# KiCad board oresat-live-card.kicad_pcb (continued)
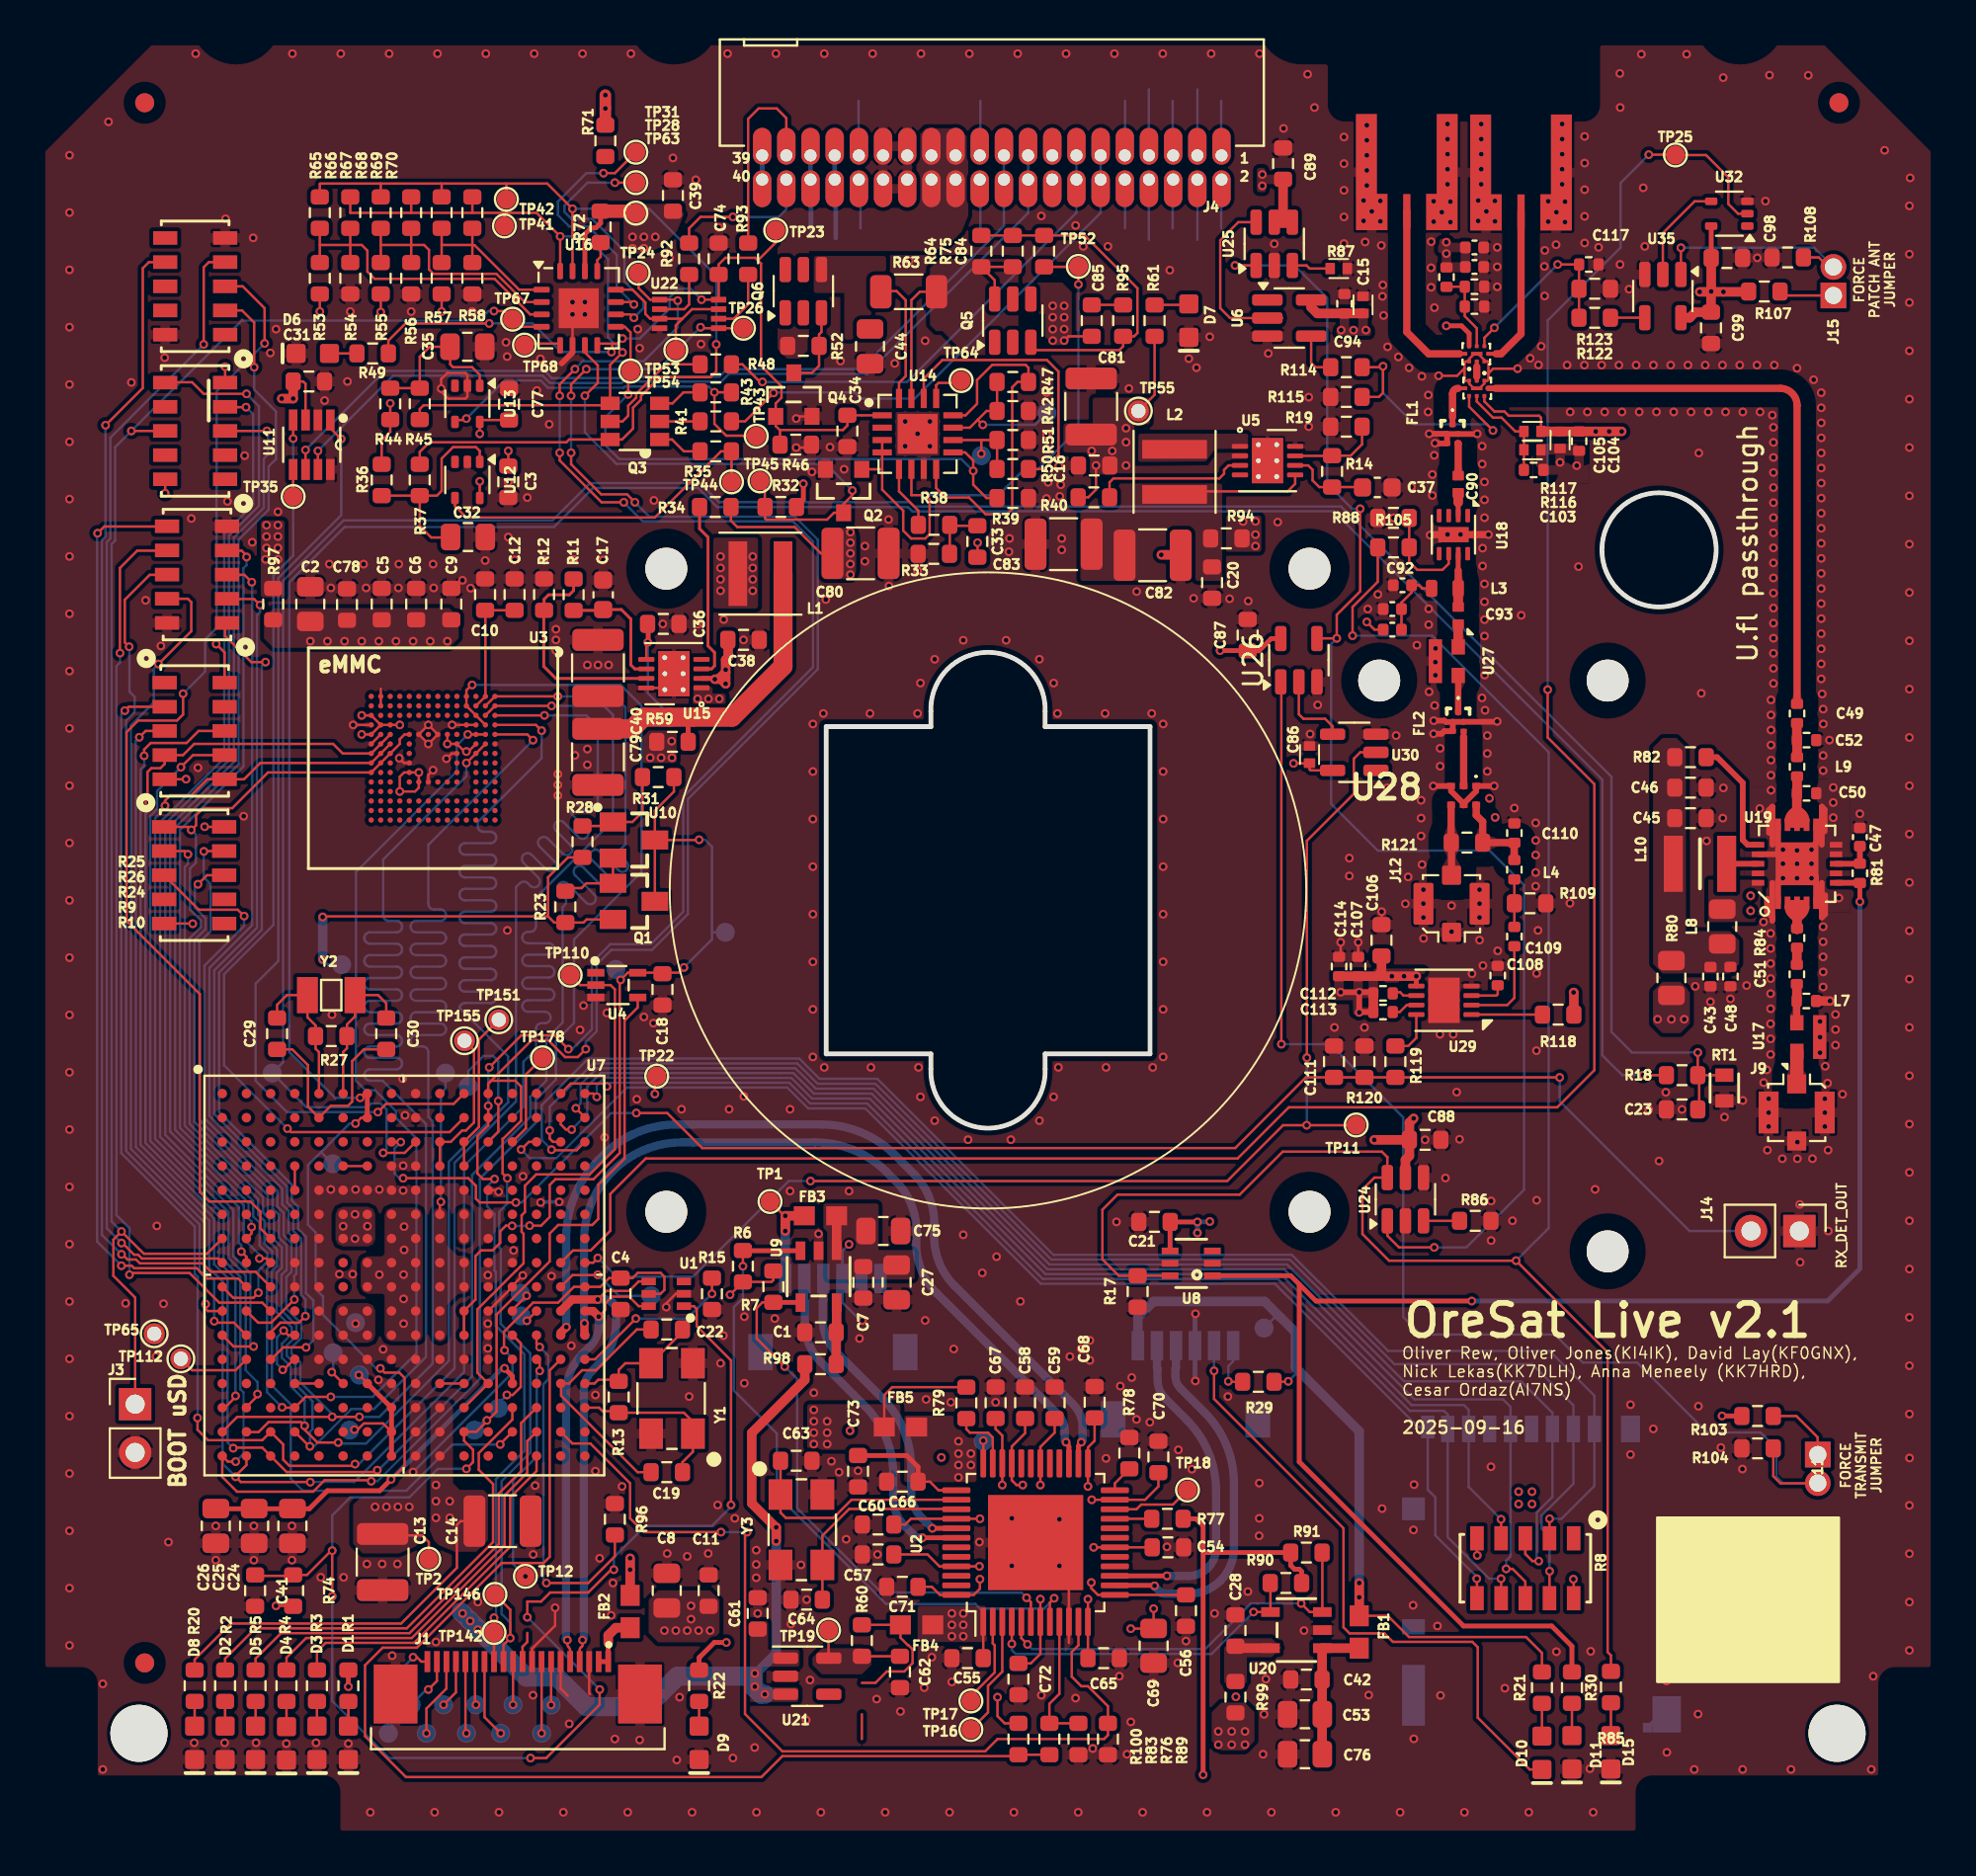
[diagram p0: board, top side]
## Copper pours and planes (outline as drawn; the poured copper is in the pictures) (continued)
+5V on Top, In2.Cu: 21.8,22.75 21.8,18.65 22.16,18.29 23.9,18.29 23.9,15.04 21.39,15.04 20.45,15.99 20.45,22.75 20.69,22.99 21.56,22.99
+5V on In2.Cu: 63.88,7.05 63.88,4.59 61.59,4.59 61.59,7.05 37.07,7.05 37.07,9.95 63.88,9.95
+5V on In2.Cu: 40.7,58.43 40.7,45.2 35.5,39.4 28.22,39.44 25.42,39.45 25.45,16.42 20.64,16.43 20.56,58.41
GND on Top: 78.55,73.42 81.5,73.42 81.5,71.2 78.55,71.2
GND on Top: 95.16,48.64 89.64,48.64 89.64,55.26 95.16,55.26
GND on Top: 93.96,54.14 93.04,54.14 93.04,55.66 93.96,55.66
GND on Top, Bottom, In1.Cu, In2.Cu: 101.71,-1.67 -1.36,-1.67 -1.36,96.16 101.71,96.16
GND on In2.Cu: 30.7,9.77 22.72,9.77 22.72,13.07 30.7,13.07
VBUS on Top: 48.86,84.77 47.5,83.4 40.5,83.4 40.5,77.75 38.85,77.75 38.84,85.67 45.49,85.67 46.14,86.32 46.14,89.86 48.86,89.86
VBUS on Top: 40.75,83.15 44.55,83.15 44.55,78.75 42.35,78.75 42.35,81.2 40.75,81.2
VBUS on Bottom: 48.86,85.55 46.34,85.55 46.34,89.86 48.86,89.86
VBUSP on Top: 58.4,74.3 57.6,74.3 57.6,71.66 55.07,71.66 55.07,72.8 53.8,72.82 53.82,74.35 55.4,74.35 55.4,75.7 58.4,75.7
VBUSP on Top: 63.62,71.37 57.57,71.37 57.58,72.11 61.45,72.14 61.92,72.8 63.62,72.82
VBUSP on Top: 54.3,78.4 52.9,78.4 52.9,80.1 51.65,80.1 51.65,81.75 54.3,81.75
VBUSP on Top: 42.98,66.17 41.15,66.17 41.15,68.86 42.98,68.86
VBUSP on In2.Cu: 58.3,63.97 39.6,63.97 39.6,80.8 58.3,80.8
VBUSP on In2.Cu: 42.21,61.9 36.7,61.9 36.7,60.15 35.44,60.15 35.44,63.4 42.21,63.4
VIN_USB on Top: 20.4,22.76 20.4,15.9 19.46,14.96 16.55,14.96 16.55,18.01 18.19,18.01 19.15,18.95 19.15,22.76 19.39,23.01 20.16,23.01
VPD on Top: 33.91,85.89 33.91,84.8 32.38,83.26 31.04,83.26 30.76,83.55 30.76,85.89
VPD on In2.Cu: 32.7,69.3 14.12,69.3 14.12,84.6 32.7,84.6
Net-(C2-Pad1) on Top, In2.Cu: 22.1,62.56 11.87,62.55 11.87,64.64 22.09,64.65
Net-(C2-Pad1) on In2.Cu: 24.15,61.55 24.15,53.62 12.9,53.62 12.9,63.2 22.5,63.2
Net-(C43-Pad1) on Top: 86.56,52.43 86.57,52.42 86.57,47.66 89.36,47.66 89.36,45.44 84.84,45.44 84.84,57.81 86.56,57.81
Net-(C54-Pad1) on Top: 49.85,10.3 46.2,10.3 46.2,12.2 49.85,12.2
Net-(C54-Pad1) on Bottom: 52.91,21.35 52.89,15.69 55.72,15.67 55.72,13.35 58.92,13.35 58.92,10.35 53.2,10.38 46.15,10.35 46.15,12.15 49.12,12.15 49.12,18.65 50.4,18.65 50.4,21.35
Net-(C56-Pad1) on Top: 49.3,18.7 45.5,18.7 45.5,22.2 49.3,22.2
Net-(C56-Pad1) on In2.Cu: 49.3,20.1 50.3,19.1 54,19.1 55.9,21 55.9,12 48.9,12 48.9,18 48.2,18.7 48.2,21 49.3,21
Net-(Q5-S) on Top: 51.5,83 51.5,77.9 48.8,77.9 47.5,79.2 46.85,79.2 46.85,83
Net-(U5-FB) on Top: 62.2,66.07 54.75,66.07 54.75,71.22 62.2,71.22
Net-(U5-SW) on Top: 63.63,72.9 61.95,72.9 61.45,72.2 57.78,72.19 57.8,73.81 63.62,73.81
Net-(U7A-SYS_VDD2_3P3V@1) on Top: 22.73,32.94 22.73,31.35 22.54,31.16 22.2,31.16 22.01,31.35 22.01,32.94 22.2,33.13 22.54,33.13
Net-(U7A-SYS_VDD_1P8V@1) on Top: 21.48,32.97 21.48,31.16 22.04,30.6 22.51,30.6 22.73,30.38 22.73,28.82 22.51,28.6 22.07,28.6 21.48,28.01 21.48,26.29 21.26,26.07 20.95,26.07 20.73,26.29 20.73,32.94 20.92,33.13 21.32,33.13
Net-(U7A-SYS_VOUT@1) on Top: 17.71,27.88 17.71,26.26 17.48,26.02 15.86,26.02 15.62,26.26 15.62,27.88 15.86,28.11 17.48,28.11
Net-(U9-OUT) on Top: 44.15,30.9 46.05,30.9 46.05,29.35 41.45,29.35 41.45,31.85 41.25,32.05 41.25,33.35 44.15,33.35
Net-(U15-FB) on Top: 30.76,57.74 28.07,57.74 28.07,60.6 30.76,60.6
Net-(U15-SW) on Top: 37.82,64.62 35.46,64.62 35.46,68.34 37.82,68.34
Net-(U15-SW) on Top: 36.12,60.15 36.12,59.44 34.39,59.46 34.39,60.68 35.43,60.68 35.43,60.15
Net-(U15-SW) on Bottom: 38.94,60.86 37.52,59.44 34.4,59.42 34.4,60.68 36.91,60.68 37.39,61.17 37.39,64.52 35.46,64.52 35.46,68.4 38.93,68.4
Net-(U19-VCC1) on Top: 90.56,50.07 90.59,48.13 89.26,48.14 87.74,48.14 87.74,50.36 90.56,50.36
Net-(U20-IN) on Top: 62.3,7.7 62.3,10.5 65.3,10.5 65.3,9.5 63.5,9.5 63.5,7.7
Net-(U21-OUT) on Top: 43.78,8.6 40.67,8.6 40.67,9.97 43.78,9.97

Small or netless copper shapes (teardrops, artwork), in the pictures only: 18 on Top

## Text on the board
B.Silkscreen: CAMERA | WIFI
F.Fab: 50 mm long U.FL / cable passthrough | Thermal path
F.Silkscreen: RX_DET_OUT | FORCE / TRANSMIT / JUMPER | FORCE / PATCH ANT / JUMPER | Oliver Rew, Oliver Jones(KI4IK), David Lay(KF0GNX), / Nick Lekas(KK7DLH), Anna Meneely (KK7HRD), / Cesar Ordaz(AI7NS) | ${ISSUE_DATE} | eMMC | BOOT uSD | U.fl passthrough | OreSat Live v${REVISION}
